# Altium PCB ControllerV0.PcbDoc (continued)
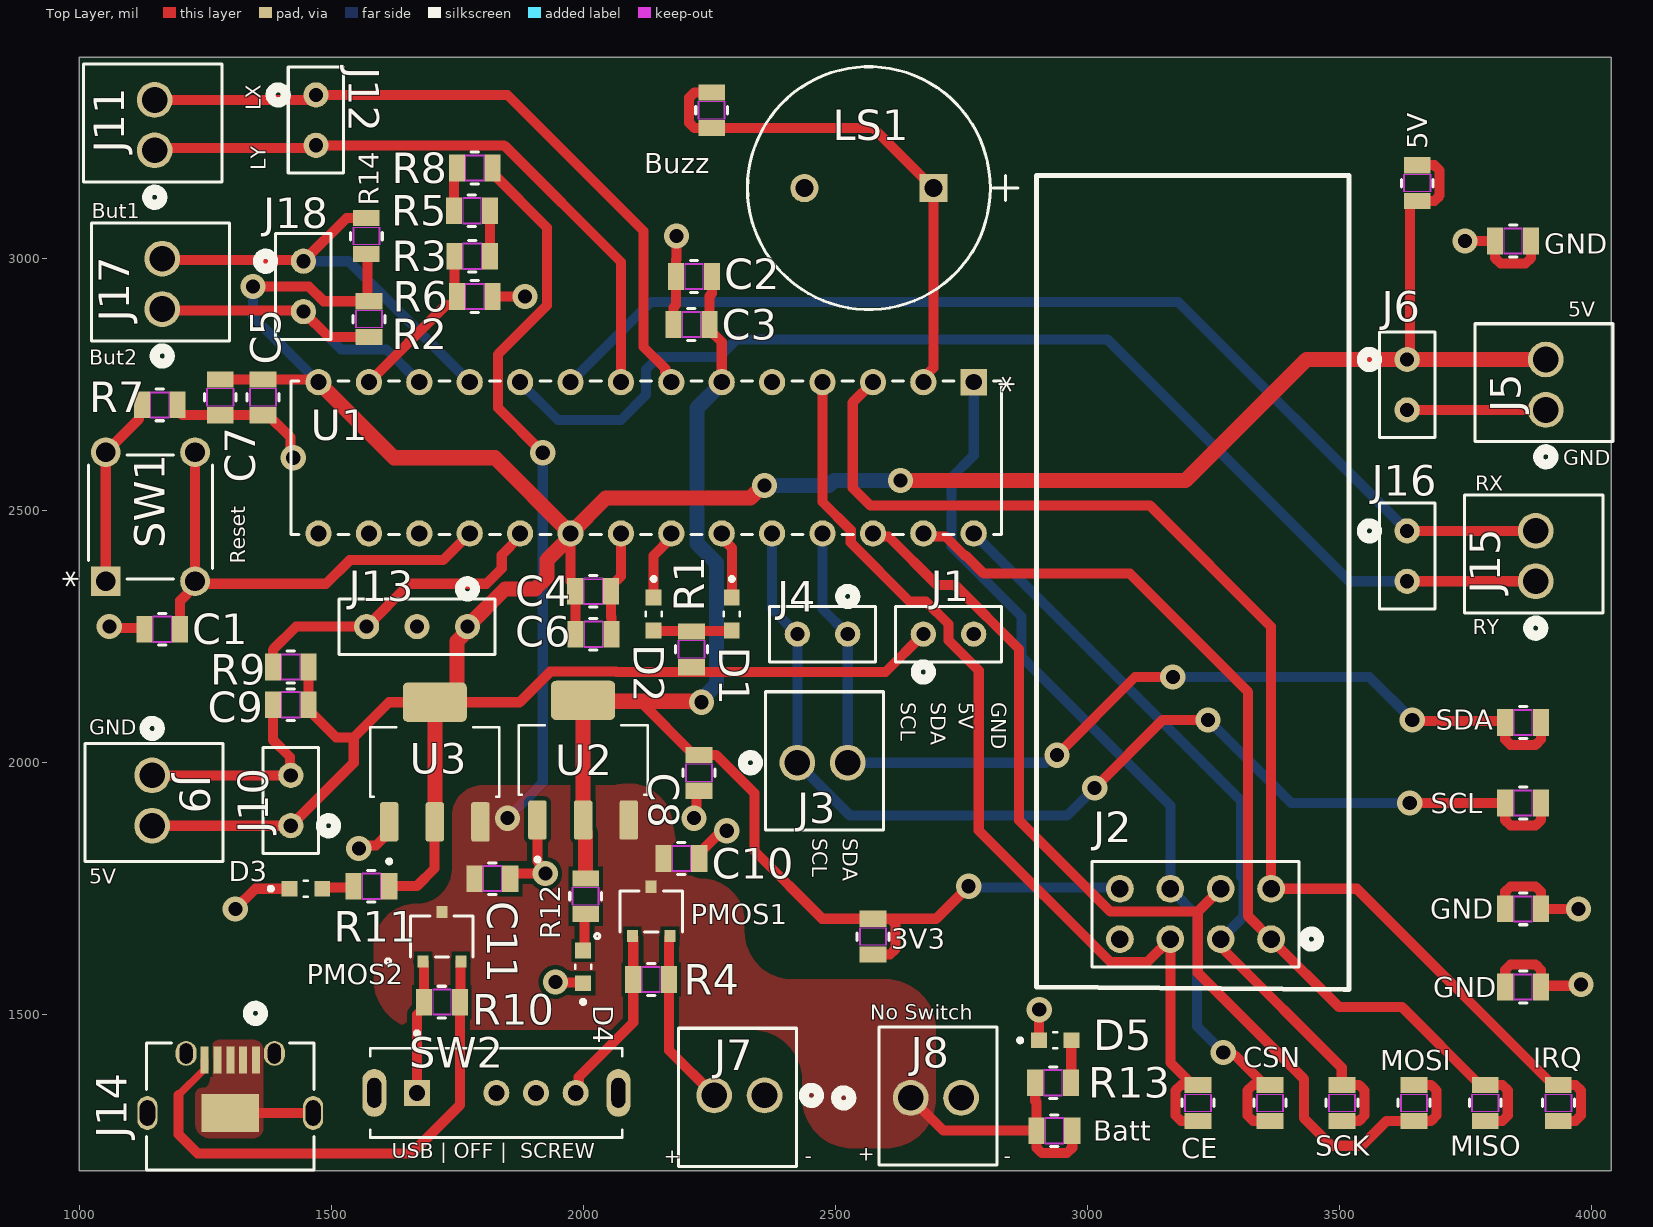
[diagram p0: Top Layer view]
## Part data (continued)
J14: library part "CON USB micro ab", "USB Connector, 5 Contact(s), Female, Right Angle, Surface Mount Terminal, Locking, Receptacle", Contact Resistance=30mR, Dielectric Withstanding Voltage (AC)=141V, Insulation Resistance=1GR, Manufacturer=Molex, Manufacturer Part Number=47590-0001, Max Operating Temperature=85°C, Min Operating Temperature=-30°C, Rated Current (Signal)=1A, Supplier Part Number=WM17144CT-ND, Additional Feature=Shielded, Board Mounting Option=PEG, Body Breadth=0.118inch, Body Depth=0.232inch, Body Length=0.295inch, Body/Shell Style=RECEPTACLE, Category="USB Connectors", ComponentLink1Description=https://datasheet.ciiva.com:443/pdfs/VipMasterIC/IC/MOLE/MOLE-S-A0000442751/MOLE-S-A0000443003-1.pdf?src-supplier=IHS+Markit, ComponentLink1URL=https://datasheet.ciiva.com:443/pdfs/VipMasterIC/IC/MOLE/MOLE-S-A0000442751/MOLE-S-A0000443003-1.pdf?src-supplier=IHS+Markit, ComponentLink2Description=https://datasheet.ciiva.com/11731/0900766b80dfe0a6-11731294.pdf?src-supplier=Rs, ComponentLink2URL=https://datasheet.ciiva.com/11731/0900766b80dfe0a6-11731294.pdf?src-supplier=Rs, ComponentLink3Description=https://datasheet.ciiva.com/1098/1597781-1098479.pdf?src-supplier=Element14, ComponentLink3URL=https://datasheet.ciiva.com/1098/1597781-1098479.pdf?src-supplier=Element14, ComponentLink4Description=https://datasheet.ciiva.com/16148/0475900001-io-connectors-16148922.pdf?src-supplier=Onlinecomponents.com, ComponentLink4URL=https://datasheet.ciiva.com/16148/0475900001-io-connectors-16148922.pdf?src-supplier=Onlinecomponents.com, Connector Type="TELECOM AND DATACOM CONNECTOR", Contact Finish - Mating=GOLD, Contact Finish - Termination="Gold (Au)", Contact Gender=Female, Contact Material="Copper Alloy", DIN Conformance=No, Durability=10000Cycles, Empty Shell=No, Filter Feature=No, IEC Conformance=No, Insulation Material=Polymer, JESD-609 Code=e4, MIL Conformance=No, Mixed Contacts=No, Mounting Option 1=LOCKING, Mounting Style="RIGHT ANGLE", Mounting Technology=Cable, Number Of Connectors=1, Number of Contacts=5, Number Of PCB Rows=1, Option="General Purpose", PCB Contact Pattern=RECTANGULAR, Polarization Key="POLAR PIN POSITION", Pricing="1=0.75, 10=0.636, 25=0.5964, 50=0.568, 100=0.5408, 250=0.50688, 500=0.48264 (USD)", Reach SVHC Compliant=Yes, Reference Standard=UL, Reliability=COMMERCIAL, RoHS=Yes, RoHS Compliant=Yes, Shell Finish=Tin, Shell Material="Stainless Steel", Stock=37888, Supplier=Digikey, Terminal Pitch=0.6604mm, Termination=SMD/SMT
LS1: "Audio Signaling/Alarm Devices", Manufacturer="CUI Devices", Manufacturer Part Number=CEM-1203(42), Category=Buzzers, ComponentLink1Description=https://www.cuidevices.com/product/resource/digikeypdf/cem-1203-42-.pdf?src-supplier=Digikey, ComponentLink1URL=https://www.cuidevices.com/product/resource/digikeypdf/cem-1203-42-.pdf?src-supplier=Digikey, ComponentLink2Description=https://datasheet.octopart.com/CEM-1203%2842%29-CUI-Devices-datasheet-175926661.pdf?src-supplier=Future+Electronics, ComponentLink2URL=https://datasheet.octopart.com/CEM-1203%2842%29-CUI-Devices-datasheet-175926661.pdf?src-supplier=Future+Electronics, ComponentLink3Description=https://datasheet.octopart.com/CEM-1203%2842%29-Same-Sky-datasheet-182879445.pdf?src-supplier=Electro+Sonic, ComponentLink3URL=https://datasheet.octopart.com/CEM-1203%2842%29-Same-Sky-datasheet-182879445.pdf?src-supplier=Electro+Sonic, ComponentLink4Description=https://datasheet.octopart.com/CEM-1203%2842%29-CUI-Devices-datasheet-175925305.pdf?src-supplier=Master+Electronics, ComponentLink4URL=https://datasheet.octopart.com/CEM-1203%2842%29-CUI-Devices-datasheet-175925305.pdf?src-supplier=Master+Electronics, Pricing="1=0.5383, 10=0.4658, 25=0.4267, 40=0.4109, 80=0.3857, 230=0.3659, 500=0.365 (USD)", RoHS=Yes, Stock=12257, Supplier="Arrow Electronics", Supplier Part Number=CEM-1203(42)
PMOS1 PMOS2: library part "MOS PMOS 30V 6A", "Power Field-Effect Transistor, 6A I(D), 30V, 0.042ohm, 1-Element, P-Channel, Silicon, Metal-oxide Semiconductor FET", Manufacturer=Toshiba, Manufacturer Part Number=SSM3J372R,LF, Supplier Part Number=SSM3J372RLFCT-ND, Category=LDO, Pricing="1=0.35, 10=0.217, 100=0.1361, 500=0.10106, 1000=0.08971 (USD)", RoHS=No, Stock=64640, Supplier=Digikey
R1 R11 R12: library part "RES 150 1% 0.125 0805", "Fixed Resistor, Metal Glaze/thick Film, 0.125W, 150ohm, 150V, 1% +/-Tol, 100ppm/Cel, Surface Mount, 0805", Case/Package=0805, Manufacturer=Yageo, Manufacturer Part Number=RC0805FR-07150RL, Max Operating Temperature=155°C, Min Operating Temperature=-55°C, Package Height=0.5mm, Package Length=2mm, Package Shape=Rectangular, Package Width=1.25mm, Power=125mW, Rated Temperature=70°C, Resistor Type="FIXED RESISTOR", Supplier Part Number=311-150CRCT-ND, Temperature Coefficient (ppm/Cel)=100, Tolerance=1%, Working Voltage=150V, Additional Feature="LASER TRIMMABLE", Category="Chip SMD Resistors", ComponentLink1Description=https://datasheet.ciiva.com:443/pdfs/VipMasterIC/IC/YAGO/YAGO-S-A0008145938/YAGO-S-A0008145938-1.pdf?src-supplier=IHS+Markit, ComponentLink1URL=https://datasheet.ciiva.com:443/pdfs/VipMasterIC/IC/YAGO/YAGO-S-A0008145938/YAGO-S-A0008145938-1.pdf?src-supplier=IHS+Markit, ComponentLink2Description=https://datasheet.ciiva.com/11819/0900766b8106beab-11819782.pdf?src-supplier=Rs, ComponentLink2URL=https://datasheet.ciiva.com/11819/0900766b8106beab-11819782.pdf?src-supplier=Rs, ComponentLink3Description=https://datasheet.ciiva.com/2456/pyu-r-int-thick-7-2456999.pdf?src-supplier=Digikey, ComponentLink3URL=https://datasheet.ciiva.com/2456/pyu-r-int-thick-7-2456999.pdf?src-supplier=Digikey, ComponentLink4Description=https://datasheet.ciiva.com/2457/pyu-r-int-thick-7-2457000.pdf?src-supplier=Digikey, ComponentLink4URL=https://datasheet.ciiva.com/2457/pyu-r-int-thick-7-2457000.pdf?src-supplier=Digikey, ComponentLink5Description=https://datasheet.ciiva.com/2457/pyu-r-int-thick-7-2457001.pdf?src-supplier=Digikey, ComponentLink5URL=https://datasheet.ciiva.com/2457/pyu-r-int-thick-7-2457001.pdf?src-supplier=Digikey, ComponentLink6Description=https://datasheet.ciiva.com/7660/38627-7660798.pdf?src-supplier=Element14, ComponentLink6URL=https://datasheet.ciiva.com/7660/38627-7660798.pdf?src-supplier=Element14, ComponentLink7Description=https://datasheet.ciiva.com/46447/444164-46447566.pdf?src-supplier=Element14, ComponentLink7URL=https://datasheet.ciiva.com/46447/444164-46447566.pdf?src-supplier=Element14, ComponentLink8Description=https://datasheet.ciiva.com/12668/rc0805-12668251.pdf?src-supplier=Mouser, ComponentLink8URL=https://datasheet.ciiva.com/12668/rc0805-12668251.pdf?src-supplier=Mouser, Construction=Chip, JESD-609 Code=e3, Mounting Technology="Surface Mount", Packaging="Tape and Reel", Pins=2, Pricing="1=0.1, 10=0.014, 100=0.0112, 1000=0.00918 (USD)", Reach SVHC Compliant=Yes, RoHS=Yes, RoHS Compliant=Yes, Stock=982514, Supplier=Digikey, Technology="METAL GLAZE/THICK FILM", Terminal Finish=Nickel, Termination=Wraparound
R2 R4 R10 R14: library part "RES 10k 1% 0.125 0805", "Fixed Resistor, Metal Glaze/thick Film, 0.125W, 10000ohm, 150V, 1% +/-Tol, 100ppm/Cel, Surface Mount, 0805", Case/Package=0805, Manufacturer="Stackpole Electronics", Manufacturer Part Number=RMCF0805FT10K0, Max Operating Temperature=155°C, Min Operating Temperature=-55°C, Package Height=0.5mm, Package Length=2mm, Package Shape=Rectangular, Package Width=1.25mm, Power=125mW, Rated Temperature=70°C, Resistor Type="FIXED RESISTOR", Supplier Part Number=RMCF0805FT10K0CT-ND, Temperature Coefficient (ppm/Cel)=100, Tolerance=1%, Working Voltage=150V, Category="Chip SMD Resistors", ComponentLink1Description=https://datasheet.ciiva.com:443/pdfs/VipMasterIC/IC/SEIE/SEIE-S-A0009541969/SEIE-S-A0009541969-1.pdf?src-supplier=IHS+Markit, ComponentLink1URL=https://datasheet.ciiva.com:443/pdfs/VipMasterIC/IC/SEIE/SEIE-S-A0009541969/SEIE-S-A0009541969-1.pdf?src-supplier=IHS+Markit, ComponentLink2Description=https://datasheet.ciiva.com/15193/getdatasheetpartid-362046-15193525.pdf?src-supplier=Verical, ComponentLink2URL=https://datasheet.ciiva.com/15193/getdatasheetpartid-362046-15193525.pdf?src-supplier=Verical, Construction=Rectangular, JESD-609 Code=e3, Mounting Technology="Surface Mount", Packaging="Tape and Reel", Pins=2, Pricing="1=0.1, 10=0.025, 100=0.012, 1000=0.00658, 2500=0.00538 (USD)", Reach SVHC Compliant=Yes, Reference Standard=AEC-Q200, RoHS=Yes, RoHS Compliant=Yes, Stock=1401146, Supplier=Digikey, Technology="METAL GLAZE/THICK FILM", Terminal Finish=Nickel, Termination=Wraparound
R3: library part "RES 3.9k 1% 0.125W 0805", "Fixed Resistor, Metal Glaze/thick Film, 0.125W, 3920ohm, 150V, 1% +/-Tol, 100ppm/Cel, Surface Mount, 0805", Case/Package=0805, Manufacturer="Stackpole Electronics", Manufacturer Part Number=RMCF0805FT3K92, Max Operating Temperature=155°C, Min Operating Temperature=-55°C, Package Height=0.5mm, Package Length=2mm, Package Shape=Rectangular, Package Width=1.25mm, Power=125mW, Rated Temperature=70°C, Resistor Type="FIXED RESISTOR", Supplier Part Number=RMCF0805FT3K92CT-ND, Temperature Coefficient (ppm/Cel)=100, Tolerance=1%, Working Voltage=150V, Category="Chip SMD Resistors", ComponentLink1Description=https://datasheet.ciiva.com:443/pdfs/VipMasterIC/IC/SEIE/SEIE-S-A0009541969/SEIE-S-A0009541969-1.pdf?src-supplier=IHS+Markit, ComponentLink1URL=https://datasheet.ciiva.com:443/pdfs/VipMasterIC/IC/SEIE/SEIE-S-A0009541969/SEIE-S-A0009541969-1.pdf?src-supplier=IHS+Markit, ComponentLink2Description=https://datasheet.ciiva.com/3882/40960751s7172021n1174-3882844.pdf?src-supplier=Arrow+Electronics, ComponentLink2URL=https://datasheet.ciiva.com/3882/40960751s7172021n1174-3882844.pdf?src-supplier=Arrow+Electronics, ComponentLink3Description=https://datasheet.ciiva.com/15193/getdatasheetpartid-565526-15193591.pdf?src-supplier=Verical, ComponentLink3URL=https://datasheet.ciiva.com/15193/getdatasheetpartid-565526-15193591.pdf?src-supplier=Verical, Construction=Rectangular, JESD-609 Code=e3, Mounting Technology="Surface Mount", Packaging="Tape and Reel", Pins=2, Pricing="1=0.1, 10=0.021, 50=0.0128, 100=0.0105, 500=0.00704, 1000=0.00602 (USD)", Reach SVHC Compliant=Yes, Reference Standard=AEC-Q200, RoHS=Yes, RoHS Compliant=Yes, Stock=141516, Supplier=Digikey, Technology="METAL GLAZE/THICK FILM", Terminal Finish=Nickel, Termination=Wraparound
R5: library part "RES 18.7k 1% 0.125W 0805", "Fixed Resistor, Metal Glaze/thick Film, 0.125W, 18700ohm, 150V, 1% +/-Tol, 100ppm/Cel, Surface Mount, 0805", Case/Package=0805, Manufacturer="Stackpole Electronics", Manufacturer Part Number=RMCF0805FT18K7, Max Operating Temperature=155°C, Min Operating Temperature=-55°C, Package Height=0.5mm, Package Length=2mm, Package Shape=Rectangular, Package Width=1.25mm, Power=125mW, Rated Temperature=70°C, Resistor Type="FIXED RESISTOR", Supplier Part Number=RMCF0805FT18K7CT-ND, Temperature Coefficient (ppm/Cel)=100, Tolerance=1%, Working Voltage=150V, Category="Chip SMD Resistors", ComponentLink1Description=https://datasheet.ciiva.com:443/pdfs/VipMasterIC/IC/SEIE/SEIE-S-A0009541969/SEIE-S-A0009541969-1.pdf?src-supplier=IHS+Markit, ComponentLink1URL=https://datasheet.ciiva.com:443/pdfs/VipMasterIC/IC/SEIE/SEIE-S-A0009541969/SEIE-S-A0009541969-1.pdf?src-supplier=IHS+Markit, ComponentLink2Description=http://components.arrow.com/part/dataview/50586056S357577N1174?src-supplier=Arrow+Electronics, ComponentLink2URL=http://components.arrow.com/part/dataview/50586056S357577N1174?src-supplier=Arrow+Electronics, ComponentLink3Description=https://www.seielect.com/catalog/sei-rmcf_rmcp.pdf?src-supplier=Digikey, ComponentLink3URL=https://www.seielect.com/catalog/sei-rmcf_rmcp.pdf?src-supplier=Digikey, ComponentLink4Description=https://www.seielect.com/catalog/SEI-RMCF_RMCP.pdf?src-supplier=Avnet, ComponentLink4URL=https://www.seielect.com/catalog/SEI-RMCF_RMCP.pdf?src-supplier=Avnet, ComponentLink5Description=https://datasheet.octopart.com/RMCF0805FT18K7-Stackpole-Electronics-datasheet-28504820.pdf?src-supplier=Future+Electronics, ComponentLink5URL=https://datasheet.octopart.com/RMCF0805FT18K7-Stackpole-Electronics-datasheet-28504820.pdf?src-supplier=Future+Electronics, Construction=Rectangular, JESD-609 Code=e3, Mounting Technology="Surface Mount", Packaging="Tape and Reel", Pins=2, Pricing="1=0.1, 10=0.025, 100=0.012, 1000=0.00628, 2500=0.00538 (USD)", Reach SVHC Compliant=Yes, Reference Standard=AEC-Q200, RoHS=Yes, RoHS Compliant=Yes, Stock=214137, Supplier=Digikey, Technology="METAL GLAZE/THICK FILM", Terminal Finish=Nickel, Termination=Wraparound
R6 R8: library part "RES 41.2K 1% 0.125W 0805", "Fixed Resistor, Metal Glaze/thick Film, 0.125W, 41200ohm, 150V, 1% +/-Tol, 100ppm/Cel, Surface Mount, 0805", Case/Package=0805, Manufacturer=Vishay, Manufacturer Part Number=CRCW080541K2FKEA, Max Operating Temperature=155°C, Min Operating Temperature=-55°C, Package Height=0.45mm, Package Length=2mm, Package Shape=Rectangular, Package Width=1.25mm, Power=125mW, Rated Temperature=70°C, Resistor Type="FIXED RESISTOR", Temperature Coefficient (ppm/Cel)=100, Tolerance=1%, Working Voltage=150V, Category="Chip SMD Resistors", ComponentLink1Description=https://datasheet.ciiva.com:443/pdfs/VipMasterIC/IC/VISH/VISH-S-A0007266705/VISH-S-A0007266705-1.pdf?src-supplier=IHS+Markit, ComponentLink1URL=https://datasheet.ciiva.com:443/pdfs/VipMasterIC/IC/VISH/VISH-S-A0007266705/VISH-S-A0007266705-1.pdf?src-supplier=IHS+Markit, ComponentLink2Description=https://datasheet.ciiva.com/2467/dcrcwe3-2467875.pdf?src-supplier=Digikey, ComponentLink2URL=https://datasheet.ciiva.com/2467/dcrcwe3-2467875.pdf?src-supplier=Digikey, ComponentLink3Description=https://datasheet.ciiva.com/2467/dcrcwe3-2467876.pdf?src-supplier=Digikey, ComponentLink3URL=https://datasheet.ciiva.com/2467/dcrcwe3-2467876.pdf?src-supplier=Digikey, ComponentLink4Description=https://datasheet.ciiva.com/2467/dcrcwe3-2467877.pdf?src-supplier=Digikey, ComponentLink4URL=https://datasheet.ciiva.com/2467/dcrcwe3-2467877.pdf?src-supplier=Digikey, ComponentLink5Description=https://datasheet.ciiva.com/9009/dcrcwe3-9009672.pdf?src-supplier=Avnet, ComponentLink5URL=https://datasheet.ciiva.com/9009/dcrcwe3-9009672.pdf?src-supplier=Avnet, ComponentLink6Description=https://datasheet.ciiva.com/5552/dcrcwe3-109170-5552669.pdf?src-supplier=Mouser, ComponentLink6URL=https://datasheet.ciiva.com/5552/dcrcwe3-109170-5552669.pdf?src-supplier=Mouser, ComponentLink7Description=https://datasheet.ciiva.com/7671/1697337-7671701.pdf?src-supplier=Element14, ComponentLink7URL=https://datasheet.ciiva.com/7671/1697337-7671701.pdf?src-supplier=Element14, ComponentLink8Description=https://datasheet.ciiva.com/7725/125364-7725967.pdf?src-supplier=Element14, ComponentLink8URL=https://datasheet.ciiva.com/7725/125364-7725967.pdf?src-supplier=Element14, ComponentLink9Description=https://datasheet.ciiva.com/22702/1697337-22702910.pdf?src-supplier=Element14, ComponentLink9URL=https://datasheet.ciiva.com/22702/1697337-22702910.pdf?src-supplier=Element14, ComponentLink10Description=https://datasheet.ciiva.com/16200/dcrcwe3-16200485.pdf?src-supplier=Future+Electronics, ComponentLink10URL=https://datasheet.ciiva.com/16200/dcrcwe3-16200485.pdf?src-supplier=Future+Electronics, Construction=Chip, JESD-609 Code=e3, Mounting Technology="Surface Mount", Packaging="Tape and Reel", Pins=2, Pricing="1=0.0041 (USD)", Reach SVHC Compliant=Yes, Reference Standard=AEC-Q200, RoHS=Yes, RoHS Compliant=Yes, Stock=1, Supplier="Arrow Electronics", Supplier Part Number=CRCW080541K2FKEA, Technology="METAL GLAZE/THICK FILM", Terminal Finish=Nickel, Termination=Wraparound
R7: library part "RES 330 1% 0.125W 0805", "Fixed Resistor, Metal Glaze/thick Film, 0.125W, 330ohm, 150V, 1% +/-Tol, 100ppm/Cel, Surface Mount, 0805", Case/Package=0805, Manufacturer="Stackpole Electronics", Manufacturer Part Number=RMCF0805FT330R, Max Operating Temperature=155°C, Min Operating Temperature=-55°C, Package Height=0.5mm, Package Length=2mm, Package Shape=Rectangular, Package Width=1.25mm, Power=125mW, Rated Temperature=70°C, Resistor Type="FIXED RESISTOR", Supplier Part Number=RMCF0805FT330RCT-ND, Temperature Coefficient (ppm/Cel)=100, Tolerance=1%, Working Voltage=150V, Category="Chip SMD Resistors", ComponentLink1Description=https://datasheet.ciiva.com:443/pdfs/VipMasterIC/IC/SEIE/SEIE-S-A0009541969/SEIE-S-A0009541969-1.pdf?src-supplier=IHS+Markit, ComponentLink1URL=https://datasheet.ciiva.com:443/pdfs/VipMasterIC/IC/SEIE/SEIE-S-A0009541969/SEIE-S-A0009541969-1.pdf?src-supplier=IHS+Markit, ComponentLink2Description=http://components.arrow.com/part/dataview/40963487S9848862N1174?src-supplier=Arrow+Electronics, ComponentLink2URL=http://components.arrow.com/part/dataview/40963487S9848862N1174?src-supplier=Arrow+Electronics, ComponentLink3Description=https://www.seielect.com/catalog/SEI-RMCF_RMCP.pdf?src-supplier=Avnet, ComponentLink3URL=https://www.seielect.com/catalog/SEI-RMCF_RMCP.pdf?src-supplier=Avnet, ComponentLink4Description=https://www.seielect.com/catalog/sei-rmcf_rmcp.pdf?src-supplier=Digikey, ComponentLink4URL=https://www.seielect.com/catalog/sei-rmcf_rmcp.pdf?src-supplier=Digikey, ComponentLink5Description=https://www.seielect.com/catalog/SEI-Packaging.pdf?src-supplier=Digikey, ComponentLink5URL=https://www.seielect.com/catalog/SEI-Packaging.pdf?src-supplier=Digikey, ComponentLink6Description=https://www.verical.com/server-webapp/html/getDatasheet?partID=559884&src-supplier=Verical, ComponentLink6URL=https://www.verical.com/server-webapp/html/getDatasheet?partID=559884&src-supplier=Verical, ComponentLink7Description=https://datasheet.octopart.com/RMCF0805FT330R-Stackpole-Electronics-datasheet-12534581.pdf?src-supplier=Future+Electronics, ComponentLink7URL=https://datasheet.octopart.com/RMCF0805FT330R-Stackpole-Electronics-datasheet-12534581.pdf?src-supplier=Future+Electronics, Construction=Rectangular, JESD-609 Code=e3, Mounting Technology="Surface Mount", Packaging="Tape and Reel", Pins=2, Pricing="1=0.1, 10=0.025, 100=0.012, 1000=0.00658, 2500=0.00564 (USD)", Reach SVHC Compliant=Yes, Reference Standard=AEC-Q200, RoHS=Yes, RoHS Compliant=Yes, Stock=270482, Supplier=Digikey, Technology="METAL GLAZE/THICK FILM", Terminal Finish=Nickel, Termination=Wraparound
R9 R13: library part "RES 1.4k 1% 0.125W 0805", "Fixed Resistor, Metal Glaze/thick Film, 0.125W, 1400ohm, 150V, 1% +/-Tol, 100ppm/Cel, Surface Mount, 0805", Case/Package=0805, Manufacturer=Yageo, Manufacturer Part Number=RC0805FR-071K4L, Max Operating Temperature=155°C, Min Operating Temperature=-55°C, Package Height=0.5mm, Package Length=2mm, Package Shape=Rectangular, Package Width=1.25mm, Power=125mW, Rated Temperature=70°C, Resistor Type="FIXED RESISTOR", Supplier Part Number=5205166, Temperature Coefficient (ppm/Cel)=100, Tolerance=1%, Working Voltage=150V, Additional Feature="LASER TRIMMABLE", Category="Chip SMD Resistors", ComponentLink1Description=https://datasheet.ciiva.com:443/pdfs/VipMasterIC/IC/YAGO/YAGO-S-A0008145938/YAGO-S-A0008145938-1.pdf?src-supplier=IHS+Markit, ComponentLink1URL=https://datasheet.ciiva.com:443/pdfs/VipMasterIC/IC/YAGO/YAGO-S-A0008145938/YAGO-S-A0008145938-1.pdf?src-supplier=IHS+Markit, ComponentLink2Description=https://datasheet.ciiva.com/2519/pyu-r-int-thick-7-2519780.pdf?src-supplier=Digikey, ComponentLink2URL=https://datasheet.ciiva.com/2519/pyu-r-int-thick-7-2519780.pdf?src-supplier=Digikey, ComponentLink3Description=https://datasheet.ciiva.com/2519/pyu-r-int-thick-7-2519781.pdf?src-supplier=Digikey, ComponentLink3URL=https://datasheet.ciiva.com/2519/pyu-r-int-thick-7-2519781.pdf?src-supplier=Digikey, ComponentLink4Description=https://datasheet.ciiva.com/2519/pyu-r-int-thick-7-2519782.pdf?src-supplier=Digikey, ComponentLink4URL=https://datasheet.ciiva.com/2519/pyu-r-int-thick-7-2519782.pdf?src-supplier=Digikey, ComponentLink5Description=https://datasheet.ciiva.com/5596/rc0805-5596057.pdf?src-supplier=Mouser, ComponentLink5URL=https://datasheet.ciiva.com/5596/rc0805-5596057.pdf?src-supplier=Mouser, ComponentLink6Description=https://datasheet.ciiva.com/17033/rc0805-17033654.pdf?src-supplier=Future+Electronics, ComponentLink6URL=https://datasheet.ciiva.com/17033/rc0805-17033654.pdf?src-supplier=Future+Electronics, Construction=Chip, JESD-609 Code=e3, Mounting Technology="Surface Mount", Packaging="Tape and Reel", Pins=2, Pricing="5000=0.0021, 20000=0.002, 100000=0.0019, 200000=0.0018, 625000=0.0017 (USD)", Reach SVHC Compliant=Yes, RoHS=Yes, RoHS Compliant=Yes, Stock=70000, Supplier="Future Electronics", Technology="METAL GLAZE/THICK FILM", Terminal Finish=Nickel, Termination=Wraparound
SW1: "Keypad Switch, 1 Switches, SPST, Momentary-tactile, 0.05A, 24VDC, 2.06N, 4 PCB Hole Cnt, Solder Terminal, Through Hole-straight", Contact Current(DC)-Max=50mA, Contact DC Max Rating R Load=.05A@24VDC, Contact Voltage(DC)-Max=24V, Manufacturer="TE Connectivity Alcoswitch", Manufacturer Part Number=1825910-6, Max Operating Temperature=85°C, Min Operating Temperature=-35°C, Operating Force-Max=2.06N, Body Breadth=5.99mm, Body Height=3.61mm, Body Length or Diameter=5.99mm, Category="Pushbutton Switches", Circuit Configuration=1X1, ComponentLink1Description=https://datasheet.ciiva.com:443/pdfs/VipMasterIC/IC/TYEL/TYEL-S-A0008869674/TYEL-S-A0008850909-1.pdf?src-supplier=IHS+Markit, ComponentLink1URL=https://datasheet.ciiva.com:443/pdfs/VipMasterIC/IC/TYEL/TYEL-S-A0008869674/TYEL-S-A0008850909-1.pdf?src-supplier=IHS+Markit, ComponentLink2Description=https://datasheet.ciiva.com/30199/1825910-6rqpn1825910-6-30199520.pdf?src-supplier=Onlinecomponents.com, ComponentLink2URL=https://datasheet.ciiva.com/30199/1825910-6rqpn1825910-6-30199520.pdf?src-supplier=Onlinecomponents.com, ComponentLink3Description=https://datasheet.ciiva.com/15184/getdatasheetpartid-395915-15184509.pdf?src-supplier=Verical, ComponentLink3URL=https://datasheet.ciiva.com/15184/getdatasheetpartid-395915-15184509.pdf?src-supplier=Verical, Mounting Technology="Through Hole", Number of Switches=1, Pricing="1=0.04963, 10=0.04908, 30=0.04866, 50=0.04823, 100=0.0478 (USD)", Reach SVHC Compliant=Yes, RoHS=Yes, RoHS Compliant=Yes, Stock=150345, Supplier=Avnet, Supplier Part Number=1825910-6, Switch Action=MOMENTARY, Switch Function=SPST, Switch Type=Keypad, Termination=Solder
SW2: library part "SW On-On-On 300mA", "12.7 x 7.5 x 4.5 mm, 2 mm Raised Slide Actuator, Right Angle, Through Hole, Slide Switch", Manufacturer="Same Sky", Manufacturer Part Number=SLW-1277545-2A-RA-S-D, Supplier Part Number=2223-SLW-1277545-2A-RA-S-D-ND, Pricing="1=0.39, 10=0.336, 25=0.314, 100=0.2811, 250=0.26048, 500=0.24582, 1000=0.23217, 3000=0.2128, 5000=0.20479 (USD)", RoHS=No, Stock=2799, Supplier=Digikey
U1: "RISC Microcontroller, 8-Bit, FLASH, AVR CPU, 24MHz, CMOS, PDIP28", Manufacturer=Microchip, Supplier Part Number=12AJ7043, Category=Microcontrollers, ComponentLink1Description=http://ww1.microchip.com/downloads/en/DeviceDoc/AVR128DB28-32-48-64-DataSheet-DS40002247A.pdf?src-supplier=Digikey, ComponentLink1URL=http://ww1.microchip.com/downloads/en/DeviceDoc/AVR128DB28-32-48-64-DataSheet-DS40002247A.pdf?src-supplier=Digikey, ComponentLink2Description=https://datasheet.octopart.com/AVR128DB28-I-SP-Microchip-datasheet-168930144.pdf?src-supplier=microchipDIRECT, ComponentLink2URL=https://datasheet.octopart.com/AVR128DB28-I-SP-Microchip-datasheet-168930144.pdf?src-supplier=microchipDIRECT, Manufacturer Part Number=AVR128DB28-I/SP, Pricing="1=5.04, 10=4.9, 30=4.76, 60=4.62, 105=4.41, 510=4.2 (CAD)", RoHS=No, Stock=41, Supplier=Newark
U2: "Fixed Positive LDO Regulator, 3.3V, 0.6V Dropout, PDSO4", Case/Package=SOP, Dropout Voltage1-Max=600mV, Manufacturer=STMicroelectronics, Max Supply Voltage=18V, Min Input Voltage=4.3V, Operating Temperature, TJ-Max=125°C, Operating Temperature, TJ-Min=-40°C, Output Current1-Max=1.2A, Output Voltage1-Max=3.399V, Output Voltage1-Min=3.201V, Output Voltage1-Nom=3.3V, Package Body Material=Plastic, Package Shape=Rectangular, Package Style="SMALL OUTLINEMeter", Category="Voltage Regulators - Linear", Channels=1, ComponentLink1Description=https://datasheet.ciiva.com:443/pdfs/VipMasterIC/IC/SGST/SGST-S-A0010030722/SGST-S-A0010030722-1.pdf?src-supplier=IHS+Markit, ComponentLink1URL=https://datasheet.ciiva.com:443/pdfs/VipMasterIC/IC/SGST/SGST-S-A0010030722/SGST-S-A0010030722-1.pdf?src-supplier=IHS+Markit, ComponentLink2Description=http://www.farnell.com/datasheets/2259188.pdf?src-supplier=Farnell, ComponentLink2URL=http://www.farnell.com/datasheets/2259188.pdf?src-supplier=Farnell, ComponentLink3Description=http://www.st.com/content/ccc/resource/technical/document/datasheet/group3/0e/5a/00/ca/10/1a/4f/a5/DM00366442/files/DM00366442.pdf/jcr:content/translations/en.DM00366442.pdf?src-supplier=Digikey, ComponentLink3URL=http://www.st.com/content/ccc/resource/technical/document/datasheet/group3/0e/5a/00/ca/10/1a/4f/a5/DM00366442/files/DM00366442.pdf/jcr:content/translations/en.DM00366442.pdf?src-supplier=Digikey, ComponentLink4Description=http://www.farnell.com/datasheets/2259188.pdf?src-supplier=Element14, ComponentLink4URL=http://www.farnell.com/datasheets/2259188.pdf?src-supplier=Element14, ComponentLink5Description=http://www.farnell.com/datasheets/2259188.pdf?src-supplier=Newark, ComponentLink5URL=http://www.farnell.com/datasheets/2259188.pdf?src-supplier=Newark, ComponentLink6Description=https://datasheet.octopart.com/LDL1117S33R-STMicroelectronics-datasheet-165583407.pdf?src-supplier=TME, ComponentLink6URL=https://datasheet.octopart.com/LDL1117S33R-STMicroelectronics-datasheet-165583407.pdf?src-supplier=TME, Height - Seated (Max)=1.9mm, JESD-30 Code=R-PDSO-G4, Length=6.5mm, Manufacturer Part Number=LDL1117S33R, Pins=4, Pricing="2500=0.294, 5000=0.2911, 7500=0.2135, 12500=0.1452, 17500=0.112, 25000=0.0997 (USD)", Reach SVHC Compliant=Yes, Regulator Type="FIXED POSITIVE SINGLE OUTPUT LDO REGULATOR", RoHS=Yes, RoHS Compliant=Yes, Stock=650000, Supplier="Arrow Electronics", Supplier 1="Arrow Electronics", Supplier Part Number=LDL1117S33R, Supplier Part Number 1=LDL1117S33R, Surface Mount=Yes, Terminal Form="Gull Wing", Terminal Pitch=2.3mm, Terminal Position=DUAL, Width=3.5mm
U3: "Fixed Positive LDO Regulator, 5V, 0.6V Dropout, PDSO4", Case/Package=SOP, Dropout Voltage1-Max=600mV, Manufacturer=STMicroelectronics, Max Supply Voltage=18V, Min Input Voltage=6V, Operating Temperature, TJ-Max=125°C, Operating Temperature, TJ-Min=-40°C, Output Current1-Max=1.2A, Output Voltage1-Max=5.15V, Output Voltage1-Min=4.85V, Output Voltage1-Nom=5V, Package Body Material=Plastic, Package Shape=Rectangular, Package Style="SMALL OUTLINEMeter", Category="Voltage Regulators - Linear", Channels=1, ComponentLink1Description=https://datasheet.ciiva.com:443/pdfs/VipMasterIC/IC/SGST/SGST-S-A0010030722/SGST-S-A0010030722-1.pdf?src-supplier=IHS+Markit, ComponentLink1URL=https://datasheet.ciiva.com:443/pdfs/VipMasterIC/IC/SGST/SGST-S-A0010030722/SGST-S-A0010030722-1.pdf?src-supplier=IHS+Markit, ComponentLink2Description=http://www.farnell.com/datasheets/2259188.pdf?src-supplier=Farnell, ComponentLink2URL=http://www.farnell.com/datasheets/2259188.pdf?src-supplier=Farnell, ComponentLink3Description=http://www.st.com/content/ccc/resource/technical/document/datasheet/group3/0e/5a/00/ca/10/1a/4f/a5/DM00366442/files/DM00366442.pdf/jcr:content/translations/en.DM00366442.pdf?src-supplier=Digikey, ComponentLink3URL=http://www.st.com/content/ccc/resource/technical/document/datasheet/group3/0e/5a/00/ca/10/1a/4f/a5/DM00366442/files/DM00366442.pdf/jcr:content/translations/en.DM00366442.pdf?src-supplier=Digikey, ComponentLink4Description=http://www.farnell.com/datasheets/2259188.pdf?src-supplier=Newark, ComponentLink4URL=http://www.farnell.com/datasheets/2259188.pdf?src-supplier=Newark, Height - Seated (Max)=1.9mm, JESD-30 Code=R-PDSO-G4, Length=6.5mm, Manufacturer Part Number=LDL1117S50R, Pins=4, Pricing="1=0.4496, 10=0.2819, 25=0.2795, 50=0.2738, 100=0.2253, 250=0.2208, 500=0.2045, 1000=0.1573 (USD)", Reach SVHC Compliant=Yes, Regulator Type="FIXED POSITIVE SINGLE OUTPUT LDO REGULATOR", RoHS=Yes, RoHS Compliant=Yes, Stock=195470, Supplier="Arrow Electronics", Supplier Part Number=LDL1117S50R, Surface Mount=Yes, Terminal Form="Gull Wing", Terminal Pitch=2.3mm, Terminal Position=DUAL, Width=3.5mm

## Via types
v1: diameter 50, hole 28, Top Layer to Bottom Layer, 28 vias

## Nets (pads, with @x,y where several pads share a name; then routed paths per layer and width w, separated by ;. In a path a pad name is that pad's centre, name@x,y a point inside that pad or via, vN(x,y) a via of type N, cw(c..) or ccw(c..) an arc to the next point about the centre after c; other vN are vias at no path point)
3V3: 3V3.1 3V3.2 C2.2 C3.2 C8.2 J2.5 R12.1 U1.6 U2.2 U2.4 | length 2827.5
  Top Layer w20: 2113.15,2121.85 2219.5,2015.5 C8.2 2263.96,2015.5 2340,1939.46 2340,1825 2474.5,1690.5 3V3.2 2608.96,1690.5 ; C2.2 2255.5,2930.54 2250.5,2925.54 C3.2 2250.5,2859 2275,2834.5 U1.6 ; 3V3.1 2608.96,1619.5 2619.5,1630.04 2619.5,1679.96 2608.96,1690.5 ; v1(2765,1755) 2700.5,1690.5 2608.96,1690.5
  Top Layer w30: R12.1@2005,1780 2005,1860.63 2000,1865.63 U2.2 U2.4 2001.85,2121.85 2113.15,2121.85 2233.15,2121.85 v1(2235,2120)
  Bottom Layer w20: v1(2765,1755) 2767.5,1752.5 3062.5,1752.5 J2.5
  Bottom Layer w30: v1(2235,2120) 2235,2125.41 2264.5,2154.91 2264.5,2396.2 2226,2434.7 2226,2703.59 2275,2752.59 U1.6
5V: 5V.1 5V.2 C4.2 C5.1 C6.2 C7.2 C9.2 J1.1 J5.2 J6.1 J9.2 J10.1 J13.1 R1.1 R2.2 R9.2 R11.1 R14.2 U1.14 U1.20 U3.2 U3.4 | length 6982.9
  Top Layer w20: J9.2 J10.1 1545,2000 1545,2050 ; C7.2 C5.1 1469.5,2760.5 U1.14 ; v1(1345,2945) 1455.81,2945 1485.31,2915.5 R2.2 1572.5,2918 1572.5,3007 R14.2 ; R9.2 C9.2 1455.5,2104.5 1510,2050 1545,2050 ; R11.1 1670,1755 1705,1790 1705,1881.86 U3.2 ; U3.4@1749.61,2149.01 U3.4@1720.63,2120.03 ; U1.20@1975,2449.05 1975,2360 1984.5,2350.5 C4.2 1984.5,2255.5 C6.2 ; R1.1 2210,2184.5 R1.1@2210,2180 ; J1.1 2600,2180 R1.1@2210,2180 ; J6.1 3640.74,2805.74 3640.74,3108.5 3646.74,3114.5 5V.1 3688.96,3114.5 3699.5,3125.04 3699.5,3174.96 3688.96,3185.5 5V.2 ; 1545,2050 1615.03,2120.03 U3.4 U3.4@1720.63,2120.03 ; U3.4@1720.63,2120.03 1874.03,2120.03 1934.67,2180.68 2065.33,2180.68 2066.01,2180 R1.1@2210,2180
  Top Layer w30: U1.14 1625,2605 1825,2605 U1.20 ; U3.2 U3.4 ; U3.4@1749.61,2149.01 1749.61,2240.99 J13.1@1770.5,2261.88 ; J13.1 1845.5,2345 1905,2345 1928.36,2368.36 1928.36,2402.41 1975,2449.05 U1.20 ; v1(2360,2550) 2357.43,2550 2332.43,2525 2045,2525 U1.20 ; v1(2630,2560) 3195,2560 3435,2800 J6.1 J5.2
  Bottom Layer w20: v1(1345,2945) 1345,2885 U1.14
  Bottom Layer w30: v1(2360,2550) 2488.09,2550 2498.09,2560 v1(2630,2560)
BatCheck: R3.2 R6.2 U1.13 | length 333.1
  Top Layer w20: U1.13 1728.5,2908.5 1743.5,2908.5 1749.5,2914.5 R6.2 1744.5,2930 R3.2
Button1: J17.2 J18.1 R14.1 U1.11 | length 871.9
  Top Layer w20: J17.2 1167.5,2997.5 1442.5,2997.5 J18.1 1530.5,3080.5 R14.1
  Bottom Layer w20: J18.1 1535,2995 U1.11
Button2: J17.1 J18.2 R2.1 U1.12 | length 721
  Top Layer w20: J17.1 1167.5,2897.5 1442.5,2897.5 J18.2 1495.5,2844.5 R2.1
  Bottom Layer w20: J18.2 1520,2820 1610,2820 U1.12
Buzzer: Buzz.1 Buzz.2 LS1.1 U1.2 | length 1030.2
  Top Layer w20: Buzz.1 2221.04,3330 2210.5,3319.46 2210.5,3269.54 2221.04,3259 Buzz.2 2576,3259 LS1.1 2695,2783.66 2675,2763.66 U1.2
GND: C1.2 C2.1 C3.1 C4.1 C5.2 C6.1 C7.1 C8.1 C9.1 C10.1 C11.1 D3.C D4.C D5.C GND.1 GND.2 J1.2 J2.4 J5.1 J6.2 J7.1 J8.2 J9.1 J10.2 J13.2 J14.1 J14.2 J14.3 J14.4 J14.6 J14.7 J14.8 J14.9 J14.10 LS1.2 R6.1 R7.2 SW2.2 SW2.3 U1.15 U1.21 U2.1 U3.1 | length 3015.5
  Top Layer w20: v1(1060,2270) 1062.5,2267.5 1127,2267.5 C1.2 ; J9.1 J10.2 1418.61,1976.39 1418.61,2011.39 1384.5,2045.5 C9.1 ; R7.2 1195.5,2699.5 1205.5,2689.5 C7.1 C5.2 1375.5,2689.5 1419.26,2645.74 1419.26,2610.74 v1(1425,2605) ; J14.10 J14.9 ; v1(1310,1710) 1350,1750 D3.C ; v1(1555,1830) 1560.74,1835.74 1588.99,1835.74 1615.22,1861.96 U3.1 ; R6.1 v1(1885,2925) ; C11.1 1855.5,1774 1861.5,1780 v1(1925,1780) 1925,1788.12 1909.45,1803.67 U2.1 ; v1(1945,1565) 1946.24,1563.76 1998.76,1563.76 D4.C ; C6.1 2056,2288.96 2055.5,2289.46 C4.1 2055.5,2350.5 2075,2370 U1.21 ; C3.1 2179.5,2903.46 2184.5,2908.46 C2.1 2184.5,2998.46 2185,2998.96 v1(2185,3045) ; v1(2220,1890) 2225,1895 2225,1939.5 C8.1 ; C10.1 2230.5,1820.5 2269.26,1859.26 2279.26,1859.26 v1(2285,1865) ; D5.C 2904.58,1449.68 2904.58,1509.58 v1(2905,1510) ; J6.2 J5.1 ; v1(3750,3035) 3809.5,3035 3809.5,3001.04 3820.04,2990.5 3869.96,2990.5 3880.5,3001.04 GND.2@3880.5,3035 ; GND.2@3829.5,1555 3829.5,1588.96 3840.04,1599.5 3889.96,1599.5 3900.5,1588.96 3900.5,1555 3903,1557.5 3977.5,1557.5 v1(3980,1560) ; GND.2@3829.5,1710 3829.5,1743.96 3840.04,1754.5 3889.96,1754.5 3900.5,1743.96 3900.5,1710 v1(3975,1710)
I2CSCL: J3.1 J4.2 SCL.1 SCL.2 U1.24 | length 2218.4
  Top Layer w20: v1(3015,1950) 3150,2085 v1(3240,2085) ; v1(3640,1920) SCL.2 3829.5,1886.04 3840.04,1875.5 3889.96,1875.5 3900.5,1886.04 SCL.1
  Bottom Layer w20: U1.24 2375,2305 J4.2 J3.1 2530,1895 2960,1895 v1(3015,1950) ; v1(3240,2085) 3405,1920 v1(3640,1920)
I2CSDA: J3.2 J4.1 SDA.1 SDA.2 U1.25 | length 2035.6
  Top Layer w20: v1(2940,2015) 3095,2170 v1(3170,2170) ; v1(3645,2085) 3647.5,2082.5 3827,2082.5 SDA.2 3829.5,2046.04 3840.04,2035.5 3889.96,2035.5 3900.5,2046.04 SDA.1
  Bottom Layer w20: U1.25 2475,2305 J4.1 J3.2 2916.88,2000 2931.88,2015 v1(2940,2015) ; v1(3170,2170) 3560,2170 v1(3645,2085)
LedGreen: D2.C U1.22 | length 142
  Top Layer w20: D2.C 2140,2411.34 2175,2446.34 U1.22
LedRed: D1.C U1.23 | length 135.8
  Top Layer w20: U1.23 2275,2446.34 2295,2426.34 D1.C
LeftXStick: J11.2 J12.1 U1.7 | length 1408.8
  Top Layer w20: J11.2 1451.88,3315 1461.88,3325 J12.1 1850,3325 2120,3055 2120,2825 2162.9,2782.1 2162.9,2775.76 2175,2763.66 U1.7
LeftYStick: J11.1 J12.2 U1.8 | length 1263.5
  Top Layer w20: J11.1 1155,3220 1465,3220 J12.2 1843.46,3225 2075,2993.46 U1.8
NetC1_1: C1.1 SW1.3 SW1.4 U1.18 | length 944.5
  Top Layer w20: C1.1 1200.5,2321.5 1230,2351 SW1.3 SW1.4 ; SW1.3@1235,2355 1490,2355 1536.94,2401.94 1721.94,2401.94 U1.18
NetD1_A: D1.A D2.A R1.2 | length 156.7
  Top Layer w20: D2.A 2141.01,2261.51 2213.99,2261.51 R1.2 2216.01,2261.51 2293.99,2261.51 D1.A
NetD3_A: D3.A R11.2 | length 64.1
  Top Layer w20: D3.A 1484.98,1752.5 1542,1752.5 R11.2
NetD4_A: D4.A R12.2 | length 74.1
  Top Layer w20: D4.A 2002.5,1629.98 2002.5,1697 R12.2
NetD5_A: D5.A R13.2 | length 84.7
  Top Layer w20: R13.2 2968.56,1365.56 2968.56,1448.69 D5.A
NetJ7_2: J7.2 PMOS1.2 R4.1 | length 353.9
  Top Layer w20: PMOS1.2 2172.4,1655 2170.5,1653.1 R4.1 2170.5,1429.5 J7.2
NetJ14_5: J14.5 PMOS2.2 R10.1 | length 1068.7
  Top Layer w15: 1197.22,1340.21 1248.82,1391.82 J14.5
  Top Layer w20: 1197.22,1340.21 1197.22,1262.79 1235,1225 1660,1225 1755.5,1320.5 R10.1 1756.45,1525.95 1756.45,1605.05 PMOS2.2
NetPMOS1_1: PMOS1.1 R4.2 SW2.4 | length 359.1
  Top Layer w20: SW2.4 1991.38,1351.03 1991.38,1376.38 2099.5,1484.5 R4.2 2099.5,1653.1 2097.6,1655 PMOS1.1
NetPMOS2_1: PMOS2.1 R10.2 SW2.1 | length 267.6
  Top Layer w20: SW2.1 1670.39,1500.39 1684.5,1514.5 R10.2 1684.5,1603.1 1682.6,1605 PMOS2.1
NetR3_1: R3.1 R5.1 | length 90.2
  Top Layer w20: R5.1 1815.5,3094.5 R3.1
NetR5_2: R5.2 R8.1 | length 87.3
  Top Layer w20: R5.2 1744,3174.5 R8.1
NetR7_1: R7.1 SW1.1 SW1.2 | length 379.7
  Top Layer w20: SW1.1 SW1.2 1118.5,2681.57 1118.5,2704 R7.1
RaCE: CE.1 CE.2 J2.3 U1.4 | length 1999.2
  Top Layer w20: U1.4 2475,2517.23 2531,2461.23 2531,2436.77 2647.77,2320 2680,2320 2725,2275 2725,2242.77 2785,2182.77 2785,1865.65 3046.15,1604.5 3119.5,1604.5 J2.3 3165,1405 CE.2@3209.5,1360.5 ; CE.1 3186.04,1289.5 3175.5,1300.04 3175.5,1349.96 3186.04,1360.5 CE.2@3209.5,1360.5 ; CE.2 CE.2@3209.5,1360.5
RaCSN: CSN.1 CSN.2 J2.6 U1.1 | length 1828.2
  Top Layer w20: v1(3270,1425) 3275.74,1419.26 3293.64,1419.26 CSN.2@3352.4,1360.5 ; CSN.1 3328.94,1289.5 3318.4,1300.04 3318.4,1349.96 3328.94,1360.5 CSN.2@3352.4,1360.5 ; CSN.2 CSN.2@3352.4,1360.5
  Bottom Layer w20: U1.1 2775,2609.89 2731,2565.89 2731,2429 2870,2290 2870,2210 3165,1915 J2.6 3217.98,1697.02 3217.98,1477.02 v1(3270,1425)
RaIRQ: IRQ.1 IRQ.2 J2.8 U1.3 | length 2569.5
  Top Layer w20: U1.3 2535,2715 2535,2545 2570,2510 3125,2510 3365,2270 J2.8 3535,1750 3924.5,1360.5 IRQ.1 3968.96,1360.5 3979.5,1349.96 3979.5,1300.04 3968.96,1289.5 IRQ.2
RaMISO: J2.1 MISO.1 MISO.2 U1.27 | length 1976.7
  Top Layer w20: U1.27 2681.12,2448.88 2718.9,2448.88 2756.77,2411 2759,2411 2795,2375 3085,2375 3319.5,2140.5 3319.5,1695.5 J2.1 3500,1515 3625,1515 3779.5,1360.5 MISO.2 3823.96,1360.5 3834.5,1349.96 3834.5,1300.04 3823.96,1289.5 MISO.1
RaMOSI: J2.7 MOSI.1 MOSI.2 U1.26 | length 2125.3
  Top Layer w20: U1.26 2581.12,2448.88 2606.12,2448.88 2702.66,2352.34 2738.47,2352.34 2865,2225.81 2865,1885.65 3046.15,1704.5 3219.5,1704.5 ; J2.7 3219.5,1704.5 ; MOSI.2 3682.66,1360.5 3693.2,1349.96 3693.2,1300.04 3682.66,1289.5 MOSI.1 3594.5,1289.5 3545,1240 3485,1240 3430,1295 3430,1372.78 3219.5,1583.28 3219.5,1704.5
RaSCK: J2.2 SCK.1 SCK.2 U1.28 | length 1582.5
  Top Layer w20: J2.2 3271.7,1643.3 3271.7,1628.3 3505.22,1394.78 3505.22,1361.08 SCK.2 3539.76,1360.5 3550.3,1349.96 3550.3,1300.04 3539.76,1289.5 SCK.1
  Bottom Layer w20: U1.28 3305,1925 3305,1774.35 3310.5,1768.85 3310.5,1695.5 J2.2
RightXStick: J15.2 J16.1 U1.9 | length 2168.9
  Top Layer w20: J16.1 J15.2
  Bottom Layer w20: U1.9 2134,2914 3181,2914 J16.1
RightYStick: J15.1 J16.2 U1.10 | length 2340.5
  Top Layer w20: J16.2 J15.1
  Bottom Layer w20: U1.10 1950,2680 2075,2680 2125,2730 2125,2780 2150,2805 2270,2805 2305,2840 3040,2840 3520,2360 J16.2
UPDI: J13.3 R9.1 U1.19 | length 639.7
  Top Layer w20: R9.1 1384.5,2223.96 1430.54,2270 J13.3 1655.5,2355 1808.28,2355 1838.58,2385.3 1838.58,2412.22 1875,2448.64 U1.19
Vbatt: Batt.1 Batt.2 C10.2 C11.2 J8.1 PMOS1.3 PMOS2.3 R8.2 R13.1 U2.3 U3.3 | length 1960.7
  Top Layer w20: R8.2 1820.5,3169.5 1928,3062 1928,2907.19 1831,2810.19 1831,2704 v1(1920,2615) ; J8.1 2715,1270 Batt.2 ; R13.1 2897,1329 2899.5,1326.5 Batt.2 ; Batt.1 2970.5,1236.04 2959.96,1225.5 2910.04,1225.5 2899.5,1236.04 Batt.2
  Bottom Layer w20: v1(1850,1890) 1920,1960 v1(1920,2615)
pads on no net: SW2.SH1 SW2.SH2 U1.5 U1.16 U1.17

## Polygon pours and split planes (outlines as drawn)
Vbatt on Top Layer "VBATT_L01_P004" (solid, remove dead copper, pour order 4): 2700,1470 ccw(c2600,1470) 2600,1570 2415,1570 cw(c2415,1665) 2320,1665 2320,1685 ccw(c2235,1685) 2235,1770 cw(c2240,1822.5) 2187.5,1827.5 2175,1895 ccw(c2087.5,1867.5) 2060,1955 1800,1955 ccw(c1800,1895) 1740,1895 1740,1790 cw(c1670,1790) 1670,1720 ccw(c1670,1635) 1585,1635 1585,1570 ccw(c1685,1570) 1685,1470 2335,1470 cw(c2335,1370) 2435,1370 2435,1335 ccw(c2535,1335) 2535,1235 2600,1235 ccw(c2600,1335) 2700,1335 2700,1355
GND on Top Layer "GND_L01_P002" (solid, remove dead copper, pour order 2): 1260,1430 cw(c1280,1430) 1280,1450 1345,1450 cw(c1345,1430) 1365,1430 1365,1275 cw(c1345,1275) 1345,1255 1260,1255 cw(c1260,1285) 1230,1285 1230,1340 cw(c1245,1340) 1245,1355 ccw(c1245,1370) 1260,1370 1260,1405
GND on Bottom Layer "GND_L02_P000" (solid, pour order 0): 1015,3385 1015,1190 4025,1190 4025,3385

## Silkscreen, mask and mechanical layers (free items; w line width, h text height)
Top Overlay:
  lines w10: 2900,1555 2900,3165 3520,3165 3520,1550 3510,1550 2900,1555
  text "LX" at 1360,3295 h30 r90
  text "LY" at 1370,3175 h30 r90
  text "But1" at 1025,3080 h30
  text "5V" at 3955,2885 h30
  text "But2" at 1020,2790 h30
  text "GND" at 3945,2590 h30
  text "RX" at 3770,2540 h30
  text "Reset" at 1330,2395 h30 r90
  text "RY" at 3765,2255 h30
  text "SCL" at 2630,2120 h30 r270
  text "SDA" at 2690,2120 h30 r270
  text "5V" at 2745,2120 h30 r270
  text "GND" at 2810,2120 h30 r270
  text "GND" at 1020,2055 h30
  text "SCL" at 2455,1850 h30 r270
  text "SDA" at 2515,1850 h30 r270
  text "5V" at 1020,1760 h30
  text "No Switch" at 2570,1490 h30
  text "USB | OFF |  SCREW" at 1620,1215 h30
  text "+" at 2545,1210 h30
  text "+" at 2160,1205 h30
  text "-" at 2440,1205 h30
  text "-" at 2835,1205 h30
Bottom Overlay:
  drawing of 6987 lines, arcs and shapes, not listed
  text "LX" at 1040,3295 h30 r270
  text "LY" at 1040,3185 h30 r270
  text "Didsbury Diddlers & Co. Est. 2006" at 3940,3065 h80
  text "Controller Board - Vikram Procter" at 3915,2895 h50

## Text inside footprints (layer, text, board x,y; h text height)
SW1: Top Overlay "*" at 1018.33,2347.5 h50 r90; Mechanical 13 "*" at 1075,2393.41 h50 r90
U1: Top Overlay "*" at 2806,2767.5 h50 r270; Mechanical 13 "*" at 2750,2755 h50 r270